# Allegro board com_v1_p3.brd (continued)
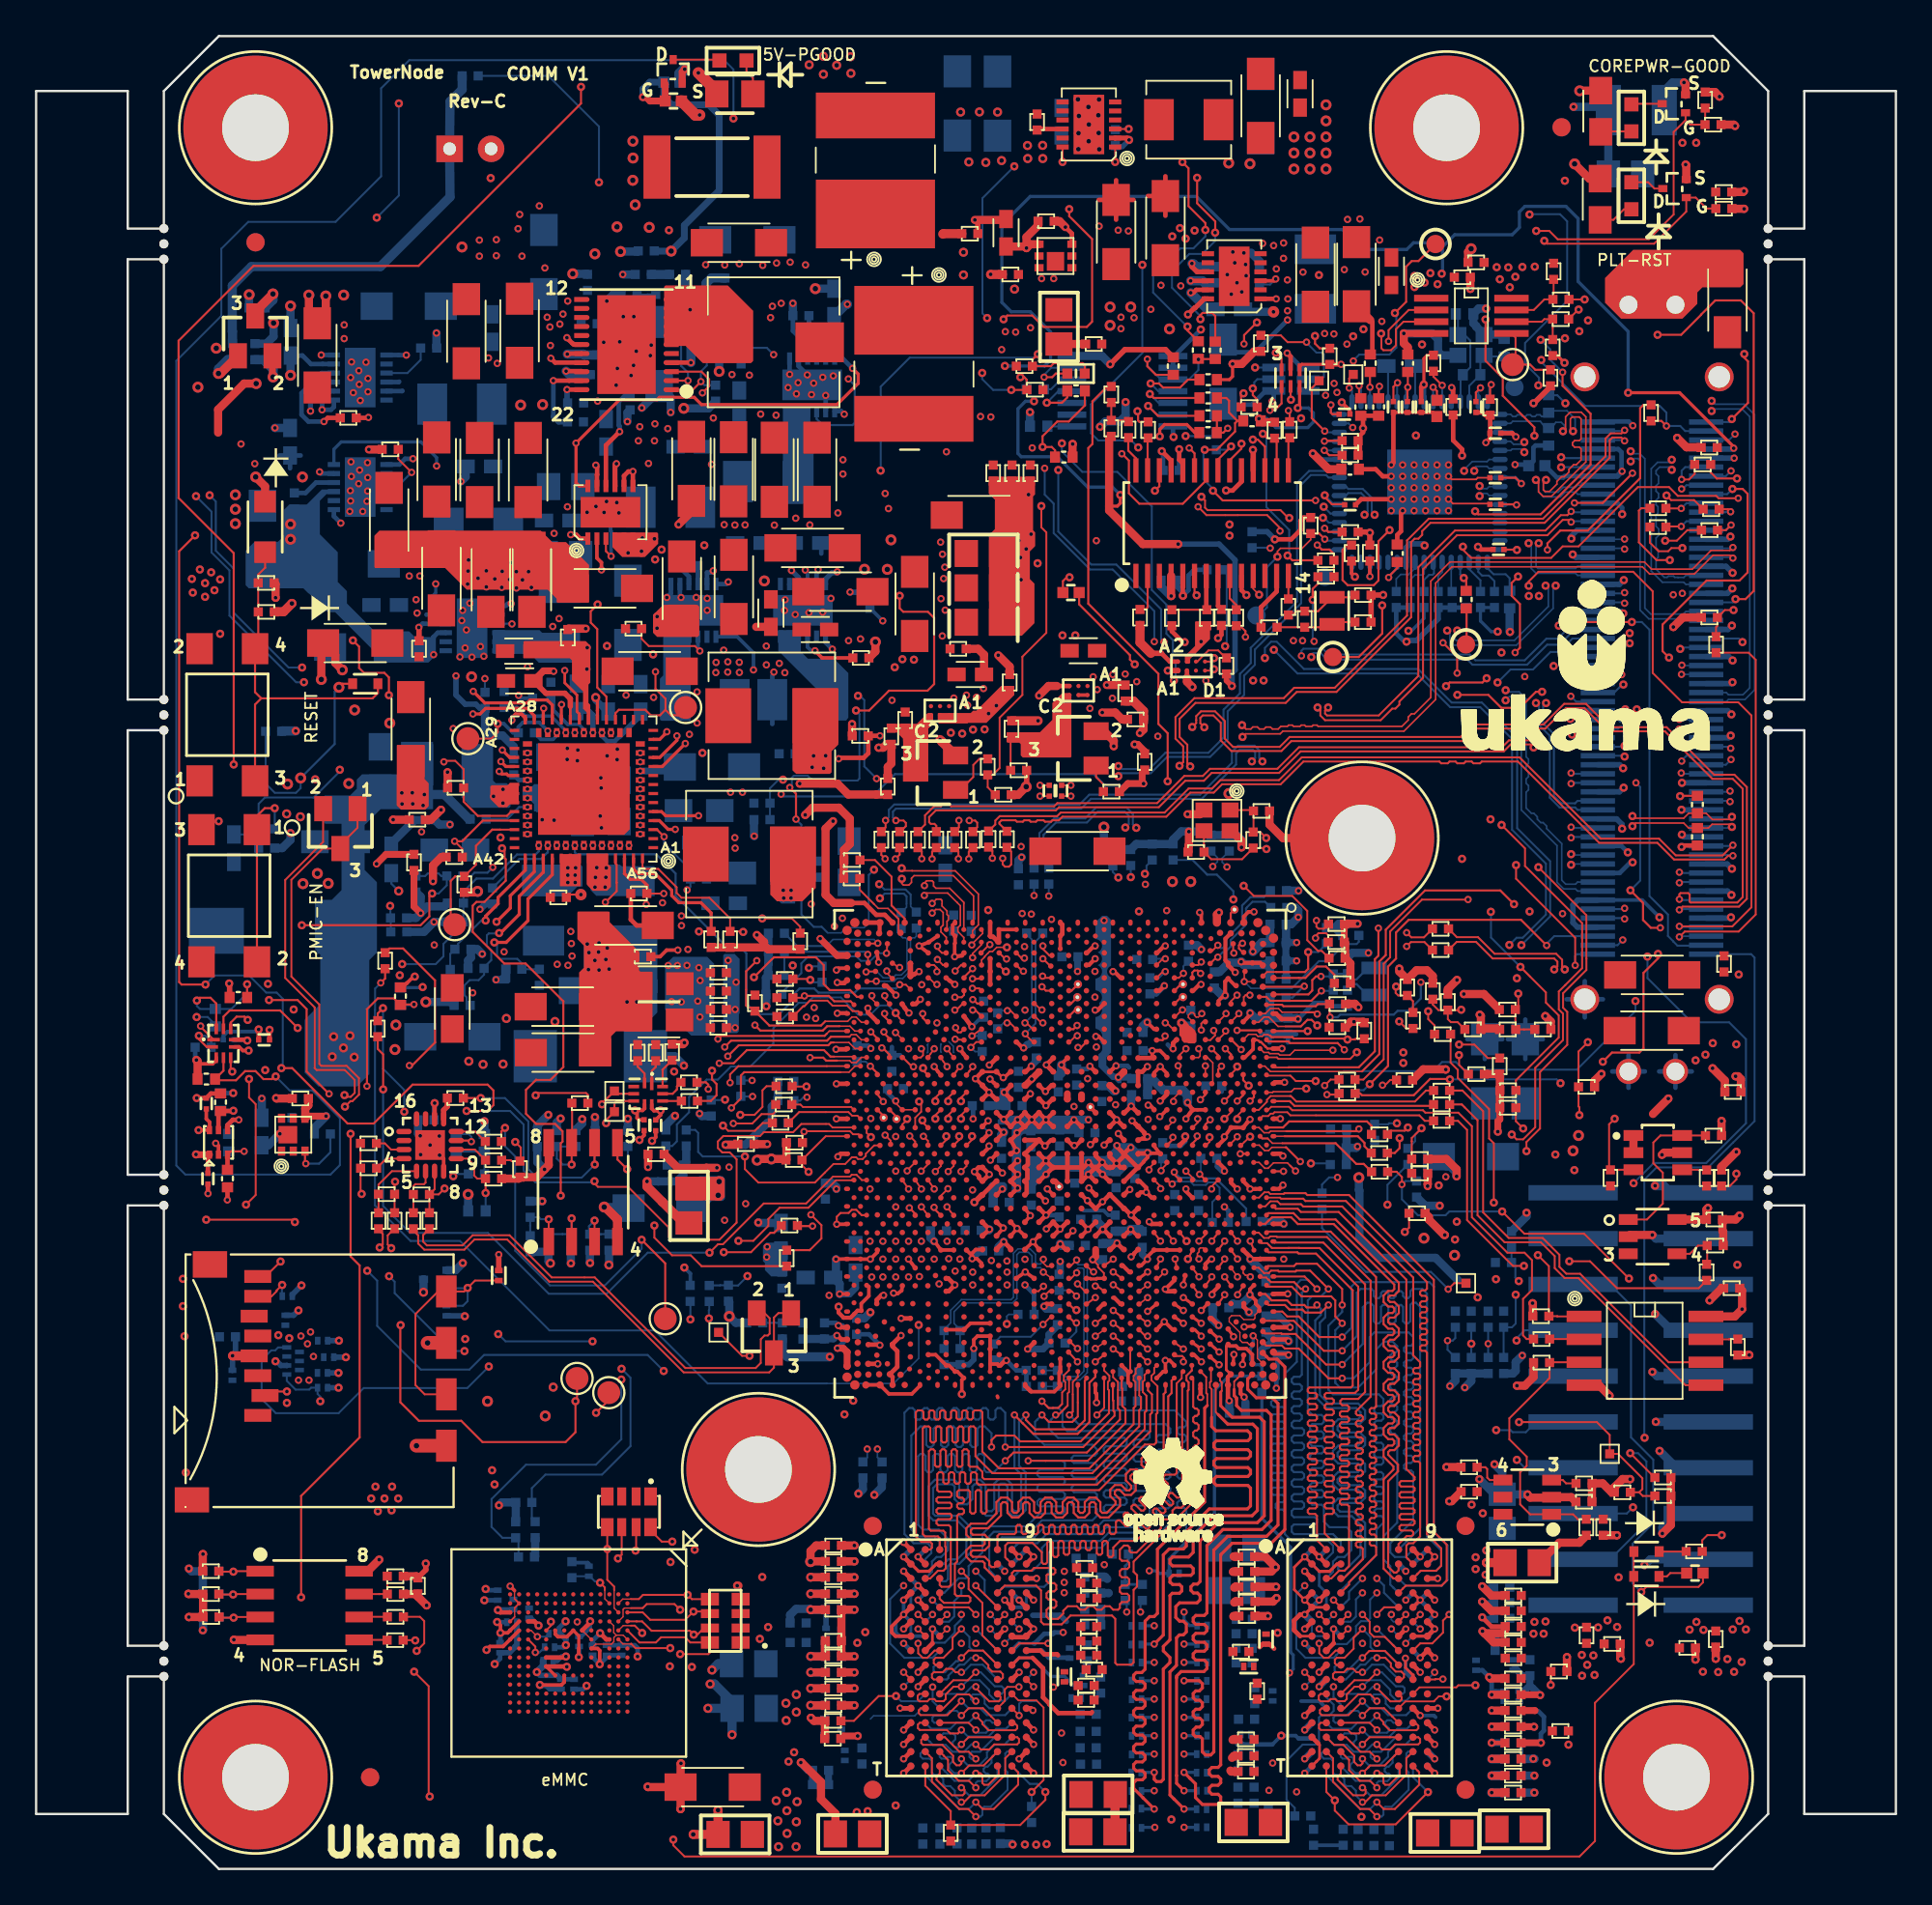
[diagram p0: board, top side]
## Routing (per net, layer and track width the routed paths; a pad name or vN(x,y) marks a point on that pad's centre or on a via; arc(x,y) is an arc through that point) (continued)
USB_DP2: length 59.1
  TOP w0.086: v2(64.59,47.42) 64.4,47.22 64.28,47.22 64.2,47.31 64.2,47.38 64.11,47.46 63.99,47.46 63.85,47.33 63.85,47.2 U3C1.K12
  L3_SIG1 w0.086: 69.37,47.97 69.37,47.89 68.79,47.31
  L3_SIG1 w0.089: v2(64.59,47.42) 64.96,47.05 66.75,47.05 67.26,46.54 68.01,46.54 68.79,47.31
  L3_SIG1 w0.107: 69.37,47.97 69.52,48.12 71.98,48.12 72.47,48.61 74.06,48.61 74.41,48.25 75.47,48.25 76.08,48.86 76.08,50.42 77.94,52.28 85.48,52.28 88.32,49.44 90.35,49.44 92.29,51.38 92.29,68.87 91.47,69.69 91.26,69.69 89.13,69.69 88.51,70.31 88.17,70.31 v2(88.03,70.16)
  BOTTOM w0.109: J20.40 87.98,70.21 v2(88.03,70.16)
USB_HSIC_RCOMP: length 4.3
  TOP w0.086: U3C1.A7 69.09,49.39
  TOP w0.119: R3B14.1 71.94,49.56 71.48,50.02 70.97,50.02 70.34,49.39 69.97,49.39 69.09,49.39
USB_OBSP: length 17.7
  TOP w0.102: U3C1.M13 63.01,46.55 62.66,46.9 v2(62.57,46.9)
  TOP w0.109: R3B10.2 71.25,50.89 71.04,50.89 70.44,51.48 70.44,53.11 69.61,53.94 67.48,53.94 v1(66.92,54.5)
  L8_SIG4 w0.119: v1(66.92,54.5) 66.79,54.37 66.28,54.37 64.92,53.01 64.92,52.63 62.99,50.71 62.99,47.32 v2(62.57,46.9)
USB_OC0_N: length 16.3
  TOP w0.109: v1(78.85,45.7) 79.7,45.7 80.45,44.95 R2B39.2
  TOP w0.119: U3C1.C20 67.48,42.78 v2(67.27,42.57)
  L8_SIG4 w0.119: v1(78.85,45.7) 78.3,45.7 76.85,44.25 75.42,44.25 75.07,44.59 70.33,44.59 69.93,44.19 68.89,44.19 v2(67.27,42.57)
USB_OC1_N: length 13.5
  TOP w0.089: v1(70.38,43.25) 69.72,43.25 69.55,43.09 68.56,43.09 68.52,43.04 U3C1.B20
  TOP w0.109: R2B38.2 78.85,44.57 78.85,45.1 v1(78.85,45.11)
  L8_SIG4 w0.119: v1(78.85,45.11) 78.67,44.94 77.94,44.94 76.86,43.87 75.39,43.87 74.93,44.33 70.86,44.33 70.38,43.86 v1(70.38,43.25)
USB_RCOMP: length 9
  TOP w0.086: U3C1.C7 67.45,49.19 v2(66.95,49.19) 66.95,49.71 U3C1.D6
  BOTTOM w0.086: v2(66.95,49.19) 67.32,48.82 69.51,48.82
  BOTTOM w0.109: 69.51,48.82 69.58,48.82 71.09,50.32 71.57,50.32 72.52,51.27 73.17,51.27 73.3,51.39 R3B8.2
USB_REFCLKN: length 11
  TOP w0.102: v2(66.55,48.44) 66.21,48.1 U3C1.F10
  TOP w0.109: v2(70.95,52.57) 70.95,52.23 71.06,52.12 71.36,52.12 R3B12.2
  L3_SIG1 w0.102: v2(66.55,48.44) 66.85,48.13 66.85,48.03 67.06,47.82 67.68,47.82 68.98,49.11 69.29,49.11 69.29,49.11 69.38,49.11 69.4,49.09 69.51,49.09
  L3_SIG1 w0.107: v2(70.95,52.57) 71.3,52.22 71.66,52.22 72.06,51.82 72.06,51.32 69.83,49.09 69.51,49.09
USB_REFCLKP: length 11.1
  TOP w0.102: U3C1.D10 66.92,48.34 67.02,48.44 v2(67.26,48.44)
  TOP w0.109: R3B13.2 71.6,51.73 71.59,51.76 71.48,51.87 71.06,51.87 70.9,51.71 v2(70.9,51.6)
  L3_SIG1 w0.102: v2(67.26,48.44) 67.06,48.24 67.06,48.11 67.15,48.02 67.6,48.02 68.89,49.32 69.46,49.32 69.48,49.34 69.51,49.34
  L3_SIG1 w0.107: v2(70.9,51.6) 70.89,51.59 70.67,51.59 70.53,51.73 70.53,51.93 70.68,52.08 71.08,52.08 71.2,51.97 71.56,51.97 71.81,51.71 71.81,51.42 69.73,49.34 69.51,49.34
USB_ULPI_RST_N: length 1.4
  TOP w0.119: v2(64.52,42.64) 64.79,42.92 64.79,43.06 U3C1.J20
  BOTTOM w0.102: v2(64.52,42.64) 64.81,42.93 R2N1.2
VBAK: length 49.3
  TOP w0.119: U2B3.A19 31.6,64.98 31.1,65.49 31.1,68.73 30.73,69.09 30.73,69.71 v1(31.12,70.09)
  L8_SIG4 w0.102: v1(31.12,70.09) 30.8,70.41 30.8,72.67 32.83,74.7 32.83,75.88 32.4,76.3 31.18,76.3 30.45,77.02 30.45,78.57 34.61,82.73 34.61,89.79 35.53,90.71 35.53,91.72 34.41,92.83 31.85,92.83 v1(31.19,93.49)
  BOTTOM w0.109: R1L3.1 28.38,99.4 31.19,96.59 v1(31.19,93.49)
VHDMI_EN_N: length 112.4
  TOP w0.119: v1(89.85,85.04) 91.16,85.04 92.26,86.15 92.26,86.16 93.05,86.95 94.47,86.95 95.18,86.24 95.18,70.84 94.73,70.39 v1(94.17,70.39) ; U2B3.A3 34.41,57.61 v2(34.8,57.22)
  L3_SIG1 w0.102: v2(36.07,54.27) 36.07,61.33 34.46,62.94 34.46,63.93 35.68,65.15 35.68,67.21 36.67,68.2 41.37,68.2 42.87,66.7 46.57,66.7 48.66,68.79 48.66,74.38 49.38,75.1 57.06,75.1 59.59,77.63 67.26,77.63 69,79.38 69,80.99 69.11,81.09 69.11,81.73 73.61,86.23 74.7,86.23 75.09,85.83 76.52,85.83 78.2,84.15 85.77,84.15 86.66,85.04 v1(89.85,85.04)
  BOTTOM w0.109: R11154.2 36.26,54.45 v2(36.07,54.27) ; J20.100 94.02,70.21 94.15,70.33 94.15,70.36 v1(94.17,70.39)
  BOTTOM w0.112: v2(34.8,57.22) 34.8,56.85 36.26,55.39 36.26,54.88 R11154.2
VNN_DIF: length 33.3
  L3_SIG1 w0.178: v3(27.23,61.36) 27.48,61.36 27.66,61.54 27.66,62.22 26.87,63.02 26.87,63.89 26.25,64.51 26.25,66.32 27.14,67.21 27.14,69.76 26.77,70.14 v2(26.33,70.14)
  L8_SIG4 w0.178: v2(20.52,83.92) 20.89,83.55 v2(20.89,78.17) 21.2,78.49 22.36,78.49 22.63,78.21 22.63,70.97 23.01,70.59 25.37,70.59 25.82,70.14 v2(26.33,70.14)
  BOTTOM w0.254: U4M1.1 20.13,77.85 20.45,78.17 v2(20.89,78.17) ; U4L1.1 20.08,83.92 20.08,83.92 v2(20.52,83.92) ; v2(26.33,70.14) 26.14,70.14 26.03,70.03 U4M3.1
VNN_DIO: length 43.4
  TOP w0.178: U2B3.A33 26.03,61.11 v2(25.76,61.39)
  L3_SIG1 w0.178: v2(22.2,77.77) 22.2,81.1 19.09,84.2 16.08,84.2 v2(15.8,83.92)
  L8_SIG4 w0.178: v2(25.76,61.39) 25.93,61.39 26.21,61.11 26.21,60.52 26.03,60.34 24.61,60.34 22.57,62.38 22.57,68.18 22.15,68.61 v2(22.15,71.23) 22.15,77.72 v2(22.2,77.77)
  BOTTOM w0.178: U4M3.12 22.17,70.03 21.97,70.23 21.97,70.57 22.15,70.74 v2(22.15,71.23) ; v2(22.2,77.77) 22.2,78.23 21.33,79.1 16.91,79.1 16.5,78.7 U4M1.12
  BOTTOM w0.254: U4L1.12 v2(15.8,83.92)
VNN_S: length 16.7
  TOP w0.203: v2(53.62,41.55) 53.64,41.55 U3C1.AK22
  TOP w0.229: U3C1.AM22 53.4,41.74 v2(53.62,41.55) 53.8,41.36 U3C1.AK24 v2(54.39,41.53) ; v2(55.96,41.53) 56.22,41.28 U3C1.AF24 ; v2(55.96,41.53) U3C1.AG22 ; v2(55.96,41.53) 56.2,41.76 U3C1.AF22 ; v2(55.96,41.53) U3C1.AG24 55.37,41.34 v2(55.17,41.53) U3C1.AJ24 ; 54.17,37.95 54,38.12 54.18,38.3 ; 54.17,37.95 v2(54.39,37.74) 54.19,37.54 54.18,37.54 U3C1.AK32 ; 54.17,37.95 54.17,37.97 U3C1.AK30 54.18,38.3 54.18,38.3 ; U3C1.AK29 54.01,38.88 54.38,39.26 ; U3C1.AK29 54.01,38.87 54.16,38.72 v2(54.39,38.5) 54.19,38.3 54.18,38.3 ; U3C1.AK29 54.38,39.26 54.38,39.26 ; U3C1.AJ22 54.78,41.92 54.61,41.75 v2(54.39,41.53) ; v2(54.39,41.53) 54.65,41.28 U3C1.AJ24 ; 54.38,39.26 v2(54.39,39.26) ; U3C1.AC24 v2(57.51,41.53) 57.33,41.35 U3C1.AD24 ; U3C1.AJ24 v2(54.36,40.81) 54.38,40.77 54.01,40.4 U3C1.AK25 v2(54.33,39.82) U3C1.AK27
  TOP w0.254: U3C1.AJ22 54.79,41.91 v2(55.17,41.53) 55.4,41.75 U3C1.AG22
  L7_PWR2 w0.099: 23.61,79.47 23.6,79.47
  L8_SIG4 w0.381: v2(54.39,37.74) v2(54.39,38.5) v2(54.39,39.26) 54.33,39.31 v2(54.33,39.82)
  vias: v2(23.91,71.22) v2(23.96,72.56) v2(23.94,71.95) v2(24.49,71.55) v2(24.95,71.96) v2(24.95,71.07) v2(25.42,71.51) v2(25.83,71.93) v2(25.8,71.04) v2(26.33,72.41) v2(26.24,71.48) v2(26.61,71.91) v2(26.62,71.01) v2(26.95,71.46) v2(27.29,71.91) v2(27.45,71.04) v2(28.88,50.15) v2(29.47,50.09) v2(29.63,51.97) v2(29.66,51.3) v2(29.7,50.61) v2(54.46,73.63) v2(54.54,72.7) v2(54.58,71.46) v2(54.87,73.17) v2(54.99,76.18) v2(55.14,73.99) v2(57.51,42.26) v2(58.31,41.53) v5(19.88,45.42) v5(19.94,46.78)
VSFR_SX: length 8
  TOP w0.203: v2(60.66,35.45) 61.02,35.09 U3C1.U36 ; v2(57.46,35.38) 57.17,35.09 U3C1.AD36 ; v2(58.42,40.15) 58.46,40.15 58.71,40.4 U3C1.AA25
  TOP w0.229: v2(60.66,35.45) 60.46,35.27 60.46,35.27 U3C1.V36 ; U3C1.AG32 55.59,37.37 v2(55.93,37.03) ; U3C1.AG19 55.91,43.1 v2(55.93,43.1)
  TOP w0.254: v2(55.93,43.1) 56.27,43.43 U3C1.AF19
  TOP w0.457: v2(30.46,68.75) 29.51,68.75 R2B36.1
  BOTTOM w0.305: C3M9.1 30.63,64.18 30.85,63.96 v3(30.85,62.99)
  BOTTOM w0.508: C2N43.1 60.56,35.35 v2(60.66,35.45) 61.19,35.45 C2N25.1
  vias: v2(38.35,50.36) v2(38.79,49.15) v2(38.74,47.64) v2(38.74,46.63)
VTT_DDR: length 21.7
  TOP w0.152: 29.6,64.45 U2B3.A23
  TOP w0.305: C2B22.1 28.25,65.17 29.3,65.17 29.6,64.87 29.6,64.45
  TOP w0.381: C2B22.1 28.12,66.41 28.66,66.41 v2(28.68,66.39)
  L3_SIG1 w0.33: 32.79,61.48 33.18,61.86 v3(33.48,61.86)
  L3_SIG1 w0.381: 32.79,61.48 32.79,60.4 31.63,59.23 30.5,59.23 28.39,61.34 28.39,62.29 27.36,63.32 27.36,64.53 28.68,65.84 v2(28.68,66.39)
  L5_SIG2 w0.099: 10.46,44.92 10.31,44.77 10.31,44.25
  BOTTOM w0.203: C352.1 C342.1
  BOTTOM w0.457: C345.1 54.06,1.4 v1(54.11,1.35)
  vias: v1(54.79,1.35) v1(55.42,1.35) v1(56,1.37) v4(41.01,3.78) v4(41.1,2.66) v4(41.14,1.23) v4(41.59,4.25) v4(41.6,3.23) v4(41.62,1.97) v4(42.13,2.61) v4(42.11,1.23) v4(42.17,3.73)
VUSBPHY: length 4.1
  BOTTOM w0.178: 28.01,63.91 28.54,63.91 29.35,63.09 29.35,63.03
  BOTTOM w0.203: C3M10.1 26.63,64.38 27.11,63.91 28.01,63.91 ; v3(29.35,62.99) 29.35,63.03
WAKE_LAN_N: length 80.9
  TOP w0.109: v1(79.06,73.29) 79.06,73.13 79.52,72.67 83.96,72.67 84.59,73.31 85.47,73.31 88.76,76.6 90.49,76.6 90.98,76.11 93.1,76.11 93.23,75.98 v2(94.32,75.98) ; R3C17.1 76.23,38.56 R3C14.2 76.23,40.52 v1(76.77,41.06)
  TOP w0.119: v1(75,74.22) 74.39,73.6 74.39,71.42 74.13,71.16 72.68,71.16 72.39,71.45 72.39,73.12 72.66,73.39 R2M27.1
  L3_SIG1 w0.102: v1(75,74.22) 78.14,74.22 v1(79.06,73.29) ; v1(76.77,41.06) 82.35,46.64 89.56,46.64 94.61,51.69 94.61,67.37 94.15,67.83 94.15,68.18 94.84,68.86 94.84,75.46 94.32,75.97 v2(94.32,75.98)
  BOTTOM w0.109: v1(76.77,41.06) 76.42,40.7 76.42,40.34 R2N6.1
WD_RESET_L: length 8.9
  TOP w0.109: R11265.2 92.5,40.66 U9002.6 90.01,40.66 89.62,40.26 89.62,39.12 90.14,38.59 90.14,36.88 89.26,36 U16.1
WDI: length 2.9
  TOP w0.109: U16.4 91.65,34.1 92.1,34.55 R11266.1 92.6,33.55 R3B22.1
N14102: length 1.1
  TOP w0.102: v2(63.53,47.62) 63.48,47.61 63.14,47.26 U3C1.M12
  BOTTOM w0.102: v2(63.53,47.62) 63.97,47.62 R2M45.1
N44672: length 2.1
  TOP w0.109: R11130.1 65.92,67.13 65.5,67.55 64.97,67.55 64.35,66.93 U3A7.C2
N44680: length 6.2
  TOP w0.119: v1(70.87,84.98) 70.87,84.55 71.13,84.29 R11131.2 ; v1(69.54,81.44) 69.52,81.46 U3A6.5
  L5_SIG2 w0.099: v1(70.87,84.98) 70.87,82.78 v1(69.54,81.44)
N45963: length 1.1
  TOP w0.508: 50.24,90.62 50.27,90.65 C2A12.1
N361919: length 20.3
  TOP w0.109: C1918.1 12.31,70.14 12.31,70.15 R10373.2
  TOP w0.119: 12.48,64.89 18.64,64.89 18.94,65.19 D10136.K ; 12.48,64.89 12.13,64.55 S2.3 ; 12.48,64.89 12.13,65.23 S2.4 12.31,67.87 C1918.1 ; D10089.A 12.69,72.13 12.31,71.75 R10373.2
N362213: length 1.5
  TOP w0.109: D10147.K 91.43,17.59 R10375.2
N1639359: length 5.5
  TOP w0.112: R562.1 45.32,8.21 46.69,9.58 v1(47.65,9.58)
  BOTTOM w0.109: 48.05,9.3 48.87,9.3 U30.L8
  BOTTOM w0.112: 48.05,9.3 47.94,9.3 v1(47.65,9.58)
N1643127: length 7.8
  TOP w0.102: U37.L8 54.43,9.34 55.43,9.34 55.83,8.95 55.83,4.93 55.77,4.87
  TOP w0.109: v1(55.17,4.27) 55.77,4.87
  BOTTOM w0.109: R647.1 v1(55.17,4.27)
N1663996: length 8.6
  TOP w0.102: 78.7,10.06 76.66,10.06 U27.L8
  TOP w0.109: v1(83.93,10.19) 83.93,10.93 R375.1 ; v1(79.76,10.18) 78.81,10.18 78.7,10.06
  L3_SIG1 w0.102: v1(83.93,10.19) 79.77,10.19 v1(79.76,10.18)
N1665298: length 8.9
  BOTTOM w0.109: U24.L8 71.5,9.51 71.9,9.1 71.9,8.76 71.65,8.5 71.2,8.5 71.09,8.4 71.09,7.11 70.88,6.89 70.19,6.89 69.29,6 69.29,3.84 69.75,3.39 R301.1
N19084489: length 14.7
  TOP w0.119: R11156.1 37.12,43.6 37.25,43.48 v2(37.25,43.22) ; U3C1.BC16 48.03,44.98 48.52,44.5 48.59,44.5 v2(48.62,44.47)
  L5_SIG2 w0.119: v2(37.25,43.22) 37.66,43.22 37.79,43.09 38.83,43.09 39.61,42.32 40.83,42.32 42.94,44.43 44.74,44.43 45.15,44.01 48.16,44.01 v2(48.62,44.47)
N19349060: length 29.3
  TOP w0.102: U27.M7 75.88,9.29 77.47,9.29 77.47,9.31 77.73,9.57 v1(78.16,9.57)
  L3_SIG1 w0.157: v2(69.45,10.87) 69.45,10.03 70.06,9.43 72.54,9.43 72.84,9.73 78,9.73 v1(78.16,9.57)
  BOTTOM w0.173: v2(69.45,10.87) 69.66,11.08 69.66,11.86 69.52,12 69.52,17.84 67.92,19.43 R384.1
N19719158: length 39.8
  TOP w0.086: v2(47.62,46.36) 47.63,46.36 48,45.99 U3C1.BC14
  TOP w0.119: v1(57.27,71.6) 57.11,71.6 56.9,71.39 R11501.1
  L3_SIG1 w0.086: v2(47.62,46.36) 47.62,46.35 47.3,46.03 47.3,45.36 47.3,45.35 47.3,45.04 47.2,44.94 45.05,44.94 44.83,45.16 44.83,49.98 44.42,50.39 44.01,50.39 43.82,50.58
  L3_SIG1 w0.102: v1(57.27,71.6) 57.25,71.62 56.85,71.62 49.62,64.39 49.62,63.5 49.3,63.18 49.3,60.94 47.97,59.61 47.24,59.61 43.38,55.75 43.38,52.9 43.21,52.73 42.94,52.46 42.94,51.46 43.82,50.58
N19720066: length 12.9
  TOP w0.102: v2(50.48,36.7) 50.69,36.42 U3C1.AU34
  TOP w0.109: v2(42.94,36.27) 43.52,35.69 43.52,34.95 42.89,34.32
  TOP w0.119: R10550.1 42.87,34.3 42.89,34.32
  L5_SIG2 w0.086: 43.82,36.5 47.06,36.5 47.29,36.27 49.26,36.27 49.4,36.41 49.4,36.94 49.56,37.09 50.09,37.09 v2(50.48,36.7)
  L5_SIG2 w0.099: 43.82,36.5 43.58,36.27 v2(42.94,36.27)
N19720069: length 9.1
  TOP w0.119: v2(49.76,36.67) 49.76,36.61 U3C1.AV34 ; v2(43.02,35.64) 42.22,35.64 R10551.1
  L5_SIG2 w0.086: 43.82,36.03 44.03,36.25 46.93,36.25 47.19,35.99 49.57,35.99 49.76,36.18 v2(49.76,36.67)
  L5_SIG2 w0.099: v2(43.02,35.64) 43.42,35.64 43.82,36.03
N19720228: length 16.2
  TOP w0.102: v2(49.06,36.7) 49.28,36.42 U3C1.AY34
  L3_SIG1 w0.119: v2(49.06,36.7) 48.69,37.07 48.21,37.07 48,36.86 48,36.04 47.33,35.37 45.97,35.37 45.42,34.82 45.42,33.06 44.91,32.55 39.73,32.55 v1(39.42,32.86)
  BOTTOM w0.109: v1(39.42,32.86) 38.9,32.34 38.38,32.34 R10552.1 37.9,32.36 37.89,32.34 R11166.1
N19723498: length 23.8
  TOP w0.102: v2(65.14,37.69) 65.14,37.83 U3C1.G30
  L5_SIG2 w0.099: v1(82.16,32.59) 82.44,32.31 82.44,31.57 82.22,31.34 81.02,31.34 79.72,32.64 74.57,32.64 70.77,36.44
  L5_SIG2 w0.102: v2(65.14,37.69) 65.59,37.24 69.97,37.24 70.77,36.44
  BOTTOM w0.109: R10557.1 81.76,33.62 R10811.2 81.97,33.4 81.97,32.78 v1(82.16,32.59)
N20262523: length 5.6
  TOP w0.086: v2(45.99,49.72) 46.02,49.76 U3C1.BF6
  BOTTOM w0.086: v2(45.99,49.72) 46.61,49.72 46.94,49.4 47.48,49.4 47.63,49.55 47.95,49.55 48.26,49.87 48.26,51.53 48.18,51.62 48.03,51.62 47.94,51.7 C1833.2
N20369148: length 1.9
  TOP w0.254: U3A5.8 65.49,70 R10610.2
N20369635: length 3.8
  TOP w0.119: R3A17.2 R2A15.1
  TOP w0.254: U3A5.7 64.84,69.83 R3A17.2
N20371644: length 2
  TOP w0.119: U3A5.28 60.94,78.2 60.52,78.62 60.52,79.33 R10605.2
N20371707: length 2.2
  TOP w0.119: R10606.2 61.48,69.82 61.59,69.94 U3A5.2
N20371755: length 2
  TOP w0.119: R10607.2 66.51,70.06 66.14,70.43 U3A5.9
N20371791: length 1.8
  TOP w0.119: U3A5.15 69.39,79.26 R10608.2
N20372791: length 1.3
  TOP w0.119: U3A5.14 R10603.2
N20372796: length 3.2
  TOP w0.254: U3A5.13 68.74,70.81 67.88,69.95 R10609.2
N20572057: length 18.1
  TOP w0.109: C1982.1 76.94,51.38 76.19,51.38 v2(75.95,51.14)
  TOP w0.112: v2(64.53,49.64) 64.37,49.8 64.18,49.8 64.07,49.69 U3C1.K7
  L8_SIG4 w0.086: 69.51,49.48 69.5,49.48 69.46,49.52 68.82,49.52 68.48,49.17 68.48,48.29 68.45,48.26 68.45,48.26 68.43,48.25 68.38,48.19
  L8_SIG4 w0.089: 68.38,48.19 68.02,47.84 65.54,47.84 65.22,48.15 65.22,49.82 65.14,49.91 64.72,49.91 64.53,49.71 v2(64.53,49.64)
  L8_SIG4 w0.107: v2(75.95,51.14) 75.67,51.42 73.23,51.42 73.21,51.43 72.58,51.43 70.63,49.48 69.51,49.48
N20572071: length 17.7
  TOP w0.109: v2(75.95,51.9) 76.21,51.64 76.91,51.64 C1981.1
  TOP w0.112: v2(64.57,50.28) 64.4,50.11 U3C1.K6
  L8_SIG4 w0.086: 69.51,49.74 69.5,49.74 69.46,49.7 68.74,49.7 68.29,49.25 68.29,48.37 68.24,48.32
  L8_SIG4 w0.089: 68.24,48.32 67.95,48.03 65.61,48.03 65.41,48.23 65.41,49.9 65.18,50.13 64.66,50.13 64.57,50.22 v2(64.57,50.28)
  L8_SIG4 w0.107: v2(75.95,51.9) 75.75,51.7 73.23,51.7 73.21,51.69 72.47,51.69 70.52,49.74 69.51,49.74
N20580018: length 9.9
  TOP w0.102: U3C1.AY7 49.48,49.39 49.84,49.03 v2(49.92,49.03)
  TOP w0.112: v2(47.05,56) 46.84,56.21 C2000.1
  L3_SIG1 w0.086: 47.18,51.5 48.25,50.43 48.86,50.43 49.29,50 49.29,49.5 49.49,49.29 49.66,49.29 v2(49.92,49.03)
  L3_SIG1 w0.119: v2(47.05,56) 47.18,55.86 47.18,51.5
N20580025: length 9.8
  TOP w0.102: v2(49.92,49.74) 49.92,49.95 49.76,50.11 U3C1.AY6
  TOP w0.112: v2(47.62,55.99) 47.85,56.22 C1999.1
  L3_SIG1 w0.086: v2(49.92,49.74) 49.66,49.48 49.57,49.48 49.48,49.58 49.48,50.08 48.93,50.62 48.32,50.62 47.43,51.51 47.43,51.58
  L3_SIG1 w0.119: v2(47.62,55.99) 47.43,55.8 47.43,51.58
N21429834: length 9.2
  TOP w0.102: U3C1.B16 68.76,44.99 68.84,44.9 69.51,44.9
  TOP w0.109: 69.51,44.9 72.82,44.9 v1(73.19,45.27) ; R3B9.2 75.93,46.59 v1(75.54,46.98)
  L6_SIG3 w0.099: v1(75.54,46.98) 74.9,46.98 v1(73.19,45.27)
N21952952: length 5.4
  TOP w0.119: U3C1.N30 62.89,37.97 v2(62.96,37.97)
  BOTTOM w0.102: R2B43.1 65.18,36.97 65.58,37.38 65.58,37.75 65.28,38.05 64.96,38.05 64.82,37.91 64.15,37.91 63.97,38.1 63.09,38.1 v2(62.96,37.97)
N21952955: length 1.4
  TOP w0.119: v2(64.48,38.51) 64.79,38.19 U3C1.J30
  BOTTOM w0.086: R2B44.1 64.54,38.57 v2(64.48,38.51)
N21952958: length 6.2
  TOP w0.119: U3C1.M30 63.07,38.5 v2(63.07,38.63)
  BOTTOM w0.119: v2(63.07,38.63) 63.39,38.31 64.11,38.31 64.28,38.14 64.69,38.14 64.83,38.28 65.38,38.28 67.05,36.61 R2B45.1
N23009447: length 19.6
  TOP w0.119: U3C1.D18 66.89,43.72 v1(67.19,43.42)
  L3_SIG1 w0.102: v2(72.12,38.33) 72.06,38.28 66.87,38.28 65.8,39.35 63.52,39.35 62.58,40.28 62.58,40.77 62.8,40.99 63.13,40.99 63.34,41.2 63.34,41.85 63.52,42.04 64.84,42.04 65.17,42.37 65.17,43.03 65.56,43.42 v1(67.19,43.42)
  BOTTOM w0.109: R11021.2 71.26,37.94 71.65,38.33 v2(72.12,38.33)
N23009450: length 15
  TOP w0.109: v1(77.14,47.54) 77.14,47.11 77.49,46.76 R11022.2
  TOP w0.119: U3C1.F16 66.22,45.15 v2(65.9,45.47)
  L6_SIG3 w0.102: v2(65.9,45.47) 66.26,45.83
  L6_SIG3 w0.114: 66.26,45.83 67.83,45.83 68.81,44.84 74,44.84 76.7,47.54 v1(77.14,47.54)
N24804241: length 5.9
  TOP w0.109: v1(25.58,63.48) 25.58,63.01 25.23,62.66 TP127.1
  BOTTOM w0.203: v1(25.58,63.48) 25.92,63.48 26.42,62.98 R1P30.2 26.72,63.3 26.98,63.56 27.88,63.56 v3(28.35,63.09)
N24949821: length 165.5
  TOP w0.102: 43.82,37.67 44.32,38.17 45.18,38.17 45.19,38.19 U3C1.BH30
  TOP w0.109: v1(38.92,34.82) 39.75,34.82 40.58,35.65 40.58,36.03 41.2,36.65 42.8,36.65 43.82,37.67
  L5_SIG2 w0.099: v1(88.63,48.11) 88.63,47.56 86.29,45.22 86.29,32.25 91.14,27.39 91.14,16.87 88.58,14.3 88.58,11.17 85.95,8.53 85.95,3.47 83.47,0.99 57.25,0.99 56.38,1.85 53.87,1.85 53.03,1.02 50.13,1.02 v1(47.63,3.52)
  L8_SIG4 w0.102: v1(38.92,34.82) 38.92,32.14 39.42,31.64 39.42,30.26 38.39,29.23 34.15,29.23 33.36,28.44 33.36,20.51 33.71,20.16 33.71,13.68 34.08,13.31 34.08,9.45 38.2,5.33 42.59,5.33 44.16,3.76 47.39,3.76 v1(47.63,3.52)
  BOTTOM w0.109: v1(88.63,48.11) 88.63,47.56 85.38,44.3 79.1,44.3 78.68,44.73 77.91,44.73 77.41,44.22 72.47,44.22 72.21,43.96 R2A23.1
N24949837: length 41.2
  TOP w0.102: 43.82,38.04 44.16,38.38 45.1,38.38 45.19,38.47 45.2,38.47 45.2,38.48 45.45,38.48 45.45,38.47 45.47,38.47 45.76,38.19 U3C1.BG30
  TOP w0.109: v1(37.32,34.16) 37.79,34.63 38.06,34.63 40.32,36.89 42.67,36.89 43.82,38.04
  TOP w0.119: R2A22.1 18.93,45.45 19.23,45.15 v1(19.23,43.21)
  BOTTOM w0.109: v1(19.23,43.21) 19.23,36.75 20.72,35.26 25.04,35.26 28.41,31.89 31.62,31.89 33.89,34.16 v1(37.32,34.16)
N24995495: length 13.6
  TOP w0.119: R11157.1 37.39,42.57 37.71,42.89 37.71,43.51 37.46,43.76 v1(37.46,44.25) ; v2(46.98,46.4) 46.98,46.34 47.29,46.02 U3C1.BD14
  L5_SIG2 w0.099: 43.82,45.97 42.46,45.97 40.94,44.45 38.19,44.45 37.99,44.25 v1(37.46,44.25)
  L5_SIG2 w0.102: 43.82,45.97 46.55,45.97 v2(46.98,46.4)
N25037963: length 17.9
  TOP w0.119: U3C1.BA34 48.71,36.32 v2(48.39,36.65)
  L3_SIG1 w0.086: 46.06,35.16 45.63,34.72 45.63,32.86 45.03,32.26 43.82,32.26
  L3_SIG1 w0.102: 43.82,32.26 37,32.26 v1(35.92,33.34) ; 46.06,35.16 47.53,35.16 48.39,36.02 v2(48.39,36.65)
  BOTTOM w0.203: R11165.1 36.26,32.36 36.26,33 v1(35.92,33.34)
N25093296: length 10.4
  TOP w0.119: S3.2 S3.1 12.24,58.37 12.67,58.8 v1(13.22,58.8)
  BOTTOM w0.109: R11231.2 13.22,58.8 v1(13.22,58.8)
N25800132: length 1.4
  TOP w0.109: R10803.2 84.78,21.37 84.6,21.56 U253.3
N25800216: length 2
  TOP w0.109: C2039.1 80.31,22.27 80.41,22.17 80.41,21.7 80.55,21.56 U253.4
N27159017: length 3.1
  TOP w0.076: U3.C2 31.51,14.98 31.51,15.46
  TOP w0.109: v1(31.25,15.87) 31.51,15.61 31.51,15.46
  BOTTOM w0.109: v1(31.25,15.87) 31.18,15.94 30.96,15.94 30.68,16.22 C37.1 29.77,16.22 C129.1
N27274288: length 5.2
  TOP w0.086: v2(46.56,49.21) 46.5,49.21 46.49,49.2 U3C1.BG7
  BOTTOM w0.086: v2(46.56,49.21) 47.56,49.21 47.71,49.36 48.03,49.36 48.45,49.79 48.45,51.53 48.54,51.62 48.69,51.62 48.77,51.7 C2153.2
N27274411: length 17.2
  TOP w0.088: U3C1.BD10 47.3,47.96 47.02,48.23 v2(47.02,48.41)
  L8_SIG4 w0.086: v2(47.02,48.41) 46.76,48.15 46.76,47.65 46.67,47.56 46.67,47.27 46.87,47.07 48.98,47.07 48.99,47.06 49.28,47.06 49.28,47.07 49.32,47.07 50.31,48.05 50.31,51.46 50.89,52.04 52.93,52.04 53.35,52.47 55.33,52.47 55.6,52.74 55.6,53.44 55.57,53.47 55.57,53.49
  L8_SIG4 w0.119: v2(55.3,53.96) 55.58,53.66 55.57,53.54 55.57,53.49
  BOTTOM w0.112: C2154.2 v2(55.3,53.96)
N27274420: length 17.8
  TOP w0.088: v2(46.31,48.41) 46.31,48.23 46.59,47.96 U3C1.BF10
  L8_SIG4 w0.086: v2(46.31,48.41) 46.57,48.15 46.57,47.73 46.48,47.64 46.48,47.19 46.8,46.88 48.91,46.88 48.91,46.88 49.35,46.88 49.36,46.88 49.4,46.88 50.5,47.98 50.5,51.38 50.97,51.85 53,51.85 53.43,52.28 55.4,52.28 55.79,52.66 55.79,53.44 55.81,53.47 55.81,53.49
  L8_SIG4 w0.119: 55.81,53.49 55.81,53.54 55.82,53.65 v2(56.12,53.93)
  BOTTOM w0.112: C2155.2 v2(56.12,53.93)
N27319573: length 193.9
  TOP w0.102: 69.4,44.43 68.64,44.43 U3C1.A17
  TOP w0.109: R3B19.2 30.58,42.91 30.48,43.01 27.82,43.01 v1(27.68,42.88)
  TOP w0.119: v2(74.38,52.15) 74.38,50.62 74.19,50.43 74.19,45.33 73.3,44.44 69.41,44.44 69.4,44.43
  L3_SIG1 w0.102: v1(89.41,12.54) 84.72,17.23 84.72,29.46 87.14,31.88 87.14,36.63 v1(88.52,38.01) ; v2(84.59,52.95) 83.59,52.95 82.57,53.97 80.36,53.97 79.45,53.06 75.29,53.06 v2(74.38,52.15)
  L5_SIG2 w0.099: v2(84.59,52.95) 86.97,50.57 v1(89.29,50.57)
  L8_SIG4 w0.102: v1(27.68,42.88) 27.67,42.88 27.47,42.68 27.47,39.95 27,39.48 27,31.11 27,30.97 27,24.88 23.85,21.72 23.85,12.17 28.05,7.97 35.05,7.97 38.04,4.99 42.54,4.99 46.59,0.93 84.29,0.93 86.71,3.36 86.71,7.53 89.41,10.23 v1(89.41,12.54)
  BOTTOM w0.109: v1(88.52,38.01) 89.64,39.13 92.55,39.13 94.75,41.33 94.75,46 93.81,46.93 91.74,46.93 89.29,49.38 v1(89.29,50.57)
N27338459: length 9
  TOP w0.102: v1(48.93,42.54) 49.05,42.43 49.05,41.97 48.71,41.64 U3C1.BA24
  TOP w0.109: R2N24.2 41.92,43.37 v1(42.69,43.37)
  L3_SIG1 w0.102: v1(42.69,43.37) 43.02,43.04 48.44,43.04 v1(48.93,42.54)
N27493048: length 159.1
  TOP w0.102: U3C1.AV32 50.14,37.31 v2(50.53,37.71)
  TOP w0.109: R3B20.1 91.5,74.21 90.92,73.63 v1(90.27,73.63)
  L8_SIG4 w0.086: 48.13,25.85 45.86,28.13 45.86,33.92 46.14,34.21 51.09,34.21 51.54,34.65 51.54,36.69 v2(50.53,37.71)
  L8_SIG4 w0.102: 48.13,25.85 48.21,25.78 48.21,20.38 47.25,19.42 47.25,5.59 50.32,2.52 59.04,2.52 59.64,1.92 83.99,1.92 85.8,3.73 85.8,7.91 88.36,10.47 88.36,11.76 88.05,12.07 88.05,13.48 91.24,16.67 91.24,40.81 89.66,42.39 89.66,48.73 92.63,51.7 92.63,70.85 91.7,71.77 90.35,71.77 90.11,72 90.11,73.47 v1(90.27,73.63)
N27493054: length 157.5
  TOP w0.102: U3C1.BA28 48.27,38.72 v2(48.27,38.7)
  TOP w0.109: R3B21.1 89.43,73.52 89.91,73.04 90.44,73.04 90.62,73.22 v1(91.23,73.22)
  L8_SIG4 w0.086: v2(48.27,38.7) 47.28,37.71 47.28,37.58 45.38,35.68 45.38,34.86 45.29,34.77 45.29,27.74 47.18,25.85
  L8_SIG4 w0.102: 47.18,25.85 47.26,25.78 47.26,20.47 46.56,19.77 46.56,5.31 50.05,1.81 58.78,1.81 59.38,1.21 84.24,1.21 86.48,3.45 86.48,7.62 89.05,10.19 89.05,12.04 88.73,12.36 88.73,13.19 91.98,16.44 91.98,40.93 93.63,42.59 93.63,46.19 91.84,47.98 91.84,49.73 93.47,51.36 93.47,71.49 91.73,73.24 91.24,73.24 v1(91.23,73.22)
N27493060: length 159.9
  TOP w0.102: v2(49.05,38.68) 49.42,39.06 U3C1.AY28
  TOP w0.109: v1(90.35,76.13) 90.6,75.88 91.88,75.88 R11259.1
  L8_SIG4 w0.086: 47.51,25.85 45.48,27.88 45.48,34.69 45.57,34.78 45.57,35.41 48.38,38.21 48.58,38.21 v2(49.05,38.68)
  L8_SIG4 w0.102: v1(90.35,76.13) 90.72,75.76 90.72,73.01 91.07,72.66 91.94,72.66 93.22,71.39 93.22,51.43 91.61,49.82 91.61,47.89 93.41,46.09 93.41,42.68 91.75,41.03 91.75,16.54 88.5,13.29 88.5,12.26 88.82,11.95 88.82,10.28 86.25,7.72 86.25,3.54 84.18,1.47 59.45,1.47 58.85,2.06 50.13,2.06 46.79,5.4 46.79,19.68 47.58,20.47 47.58,25.78 47.51,25.85
N27493066: length 159.6
  TOP w0.102: v2(49.77,37.69) 49.56,37.99 U3C1.AY30
  TOP w0.109: R11260.1 88.95,75.43 88.82,75.3 88.82,73.54 89.8,72.55 v1(90.53,72.55)
  L8_SIG4 w0.086: v2(49.77,37.69) 50.16,37.3 50.37,37.3 50.83,36.85 50.83,36.56 49.46,35.19 46.11,35.19 45.76,34.83 45.76,34.71 45.67,34.62 45.67,27.99 47.81,25.85
  L8_SIG4 w0.102: 47.81,25.85 47.88,25.78 47.88,20.45 47.02,19.58 47.02,5.5 50.22,2.29 58.95,2.29 59.54,1.7 84.08,1.7 86.03,3.64 86.03,7.81 88.59,10.38 88.59,11.85 88.28,12.17 88.28,13.38 91.47,16.57 91.47,40.9 89.89,42.48 89.89,48.55 92.92,51.58 92.92,71.19 91.67,72.43 90.65,72.43 v1(90.53,72.55)
N27521294: length 59.4
  TOP w0.109: R11262.2 93.09,68.84 93.17,68.91 R11263.1 93.58,69.78 v1(94.06,69.78)
  TOP w0.119: U3C1.C13 67.79,46.48 v2(66.55,46.48)
  L3_SIG1 w0.102: v2(66.55,46.48) 67.06,45.97 71.16,45.97 72.56,47.38 73.73,47.38 73.99,47.63 76.28,47.63 77.26,48.62 77.26,50.34 78.62,51.7 82.76,51.7 83.13,51.33 83.13,48.64 84.9,46.87 89.36,46.87 93,50.5 93.08,50.59 93.47,50.97 93.47,56.97 93.69,57.2 94.19,57.2 94.38,57.38 94.38,64.75 93.46,65.67 93.46,69.18 v1(94.06,69.78)
N27521547: length 31.2